# Altium PCB DSP_FPGA.PcbDoc (part 5 of 7) (continued)
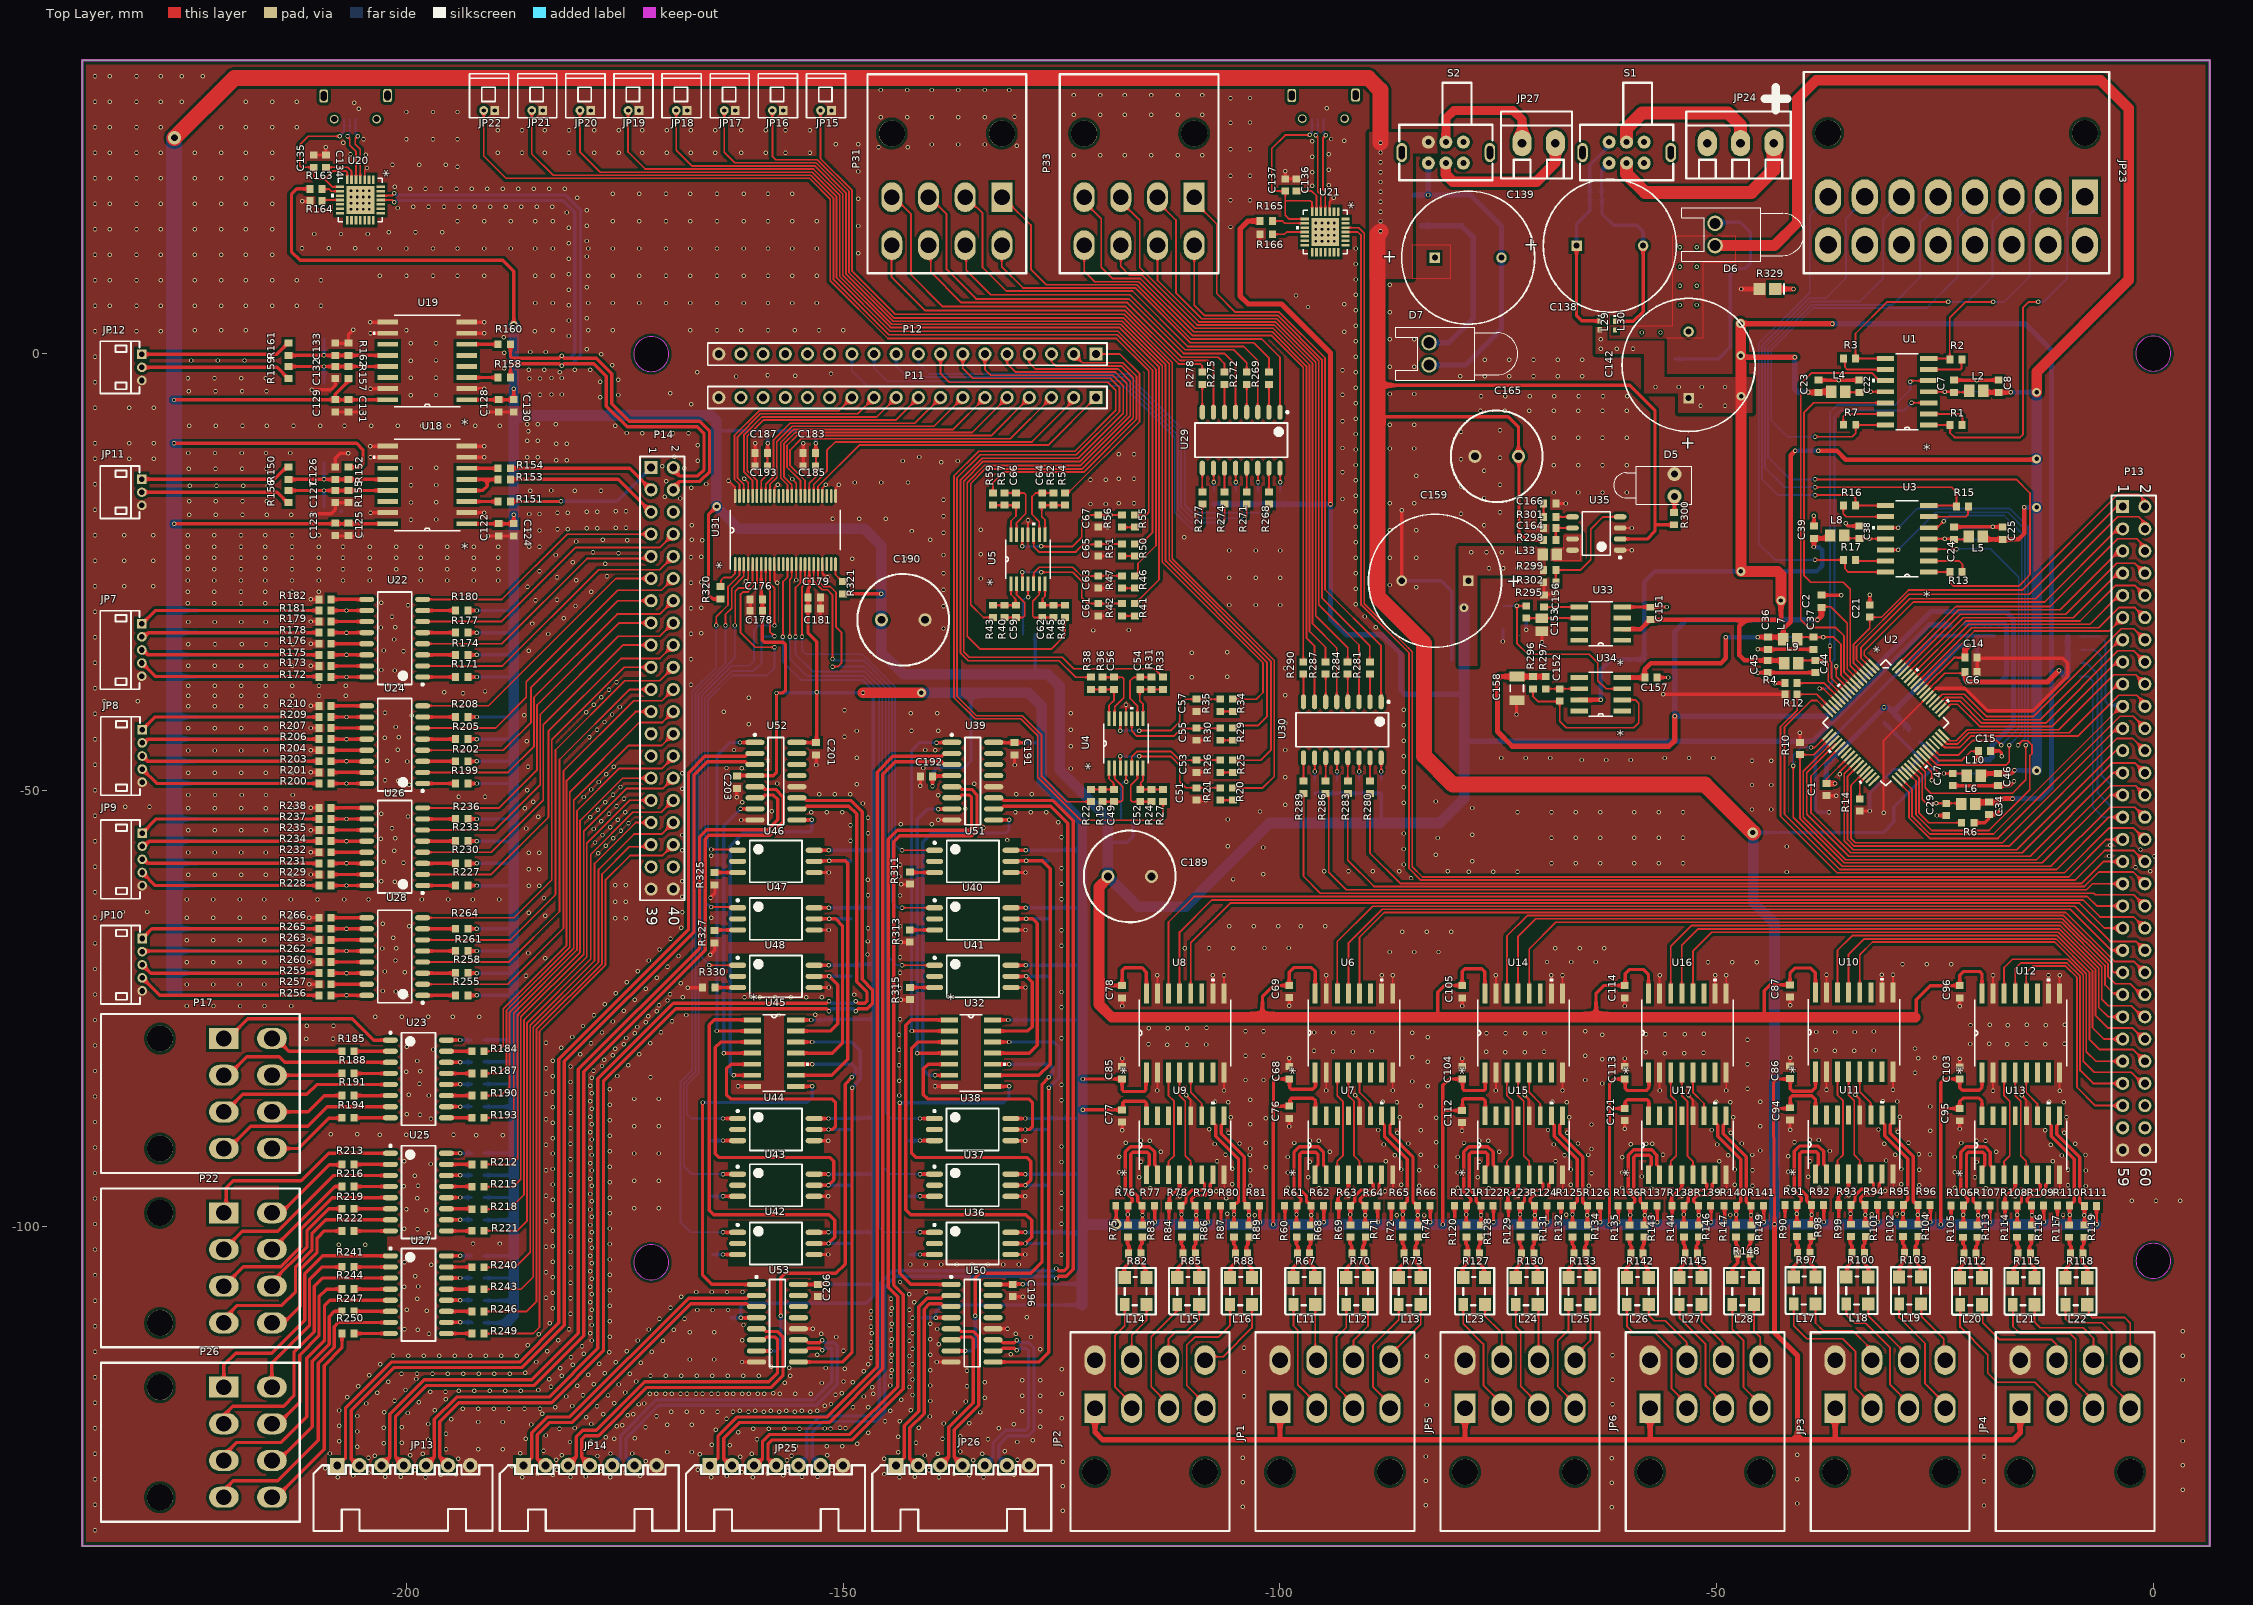
[diagram p0: Top Layer view]
## Nets (pads, with @x,y where several pads share a name; then routed paths per layer and width w, separated by ;. In a path a pad name is that pad's centre, name@x,y a point inside that pad or via, vN(x,y) a via of type N, cw(c..) or ccw(c..) an arc to the next point about the centre after c; other vN are vias at no path point) (continued)
  Bottom Layer w0.381: v1(-64.809,-98.663) C111.2@-64.809,-97.594
En5_Z_P: C110.2 R125.1 R132.2 U15.10 | length 15.1
  Top Layer w0.381: U15.10@-68.923,-87.262 -68.923,-88.062 -68.834,-88.151 -68.829,-88.151 -68.605,-88.374 -68.605,-89.62 -65.98,-92.246 -65.98,-97.066 -66.203,-97.289 -66.292,-97.289 -66.502,-97.499 -66.502,-97.549 -66.502,-99.611 R132.2@-66.661,-99.77
  Bottom Layer w0.381: v1(-66.506,-98.584) v1(-66.506,-98.584) C110.2@-66.504,-97.551
En6_A_N: C116.2 R137.1 R143.2 U17.1 | length 14.2
  Top Layer w0.381: R137.1@-58.251,-97.574 -58.251,-97.524 R137.1@-58.461,-97.315 ; R143.2@-58.179,-99.77 -58.228,-99.721 -58.228,-97.598 -58.277,-97.549 -58.277,-97.499 R137.1@-58.461,-97.315 ; U17.1@-57.798,-94.018 -57.798,-93.218 -57.709,-93.129 -57.703,-93.129 -57.48,-92.906 -57.48,-92.031 -57.703,-91.808 -59.251,-91.808 -59.474,-92.031 -59.474,-95.796 -58.758,-96.513 -58.758,-97.091 R137.1@-58.56,-97.289 ; R137.1@-58.56,-97.289 -58.486,-97.289 R137.1@-58.461,-97.315 ; R137.1@-58.56,-97.289 -58.535,-97.315 R137.1@-58.461,-97.315
  Bottom Layer w0.381: C116.2@-58.277,-97.549 -58.232,-97.594 v1(-58.232,-98.663)
En6_A_P: C115.2 R135.2 R136.1 U17.2 | length 15.7
  Top Layer w0.381: R135.2@-59.899,-99.697 R136.1@-59.899,-97.574 -59.899,-97.524 -59.69,-97.315 -59.616,-97.315 -59.393,-97.091 -59.393,-96.776 -60.109,-96.059 -60.109,-91.768 -59.514,-91.173 -57.44,-91.173 -56.845,-91.768 -56.845,-92.906 -56.622,-93.129 -56.617,-93.129 -56.528,-93.218 U17.2@-56.528,-94.018
  Bottom Layer w0.381: v1(-59.903,-98.64) C115.2@-59.903,-97.57
En6_B_N: C118.2 R139.1 R146.2 U17.7 | length 8.8
  Top Layer w0.381: R139.1@-52.122,-97.549 -52.122,-97.499 -52.332,-97.289 -52.402,-97.289 -52.625,-97.066 -52.625,-96.75 -52.277,-96.403 -51.09,-96.403 -50.495,-95.807 -50.495,-95.13 -50.272,-94.907 -50.267,-94.907 -50.178,-94.818 U17.7@-50.178,-94.018 ; R139.1@-52.066,-97.598 -52.066,-99.721 R146.2@-52.017,-99.77
  Bottom Layer w0.381: v1(-52.07,-98.663) C118.2@-52.07,-97.594
En6_B_P: C117.2 R138.1 R144.2 U17.6 | length 8.8
  Top Layer w0.381: R144.2@-53.922,-99.77 -53.763,-99.611 -53.763,-97.549 -53.763,-97.499 -53.553,-97.289 -53.483,-97.289 -53.26,-97.066 -53.26,-96.487 -52.54,-95.768 -51.353,-95.768 -51.13,-95.544 -51.13,-95.13 -51.353,-94.907 -51.359,-94.907 -51.448,-94.818 U17.6@-51.448,-94.018
  Bottom Layer w0.381: v1(-53.767,-98.584) -53.765,-98.582 C117.2@-53.765,-97.551
En6_Z_N: C120.2 R141.1 R149.2 U17.9 | length 15.1
  Top Layer w0.381: U17.9@-48.908,-87.262 -48.908,-88.062 -48.997,-88.151 -49.002,-88.151 -49.225,-88.374 -49.225,-89.357 -46.599,-91.983 -46.599,-97.091 -46.376,-97.315 -46.287,-97.315 -46.077,-97.524 R141.1@-46.077,-97.574 ; R141.1@-46.06,-97.598 -46.06,-99.721 R149.2@-46.011,-99.77
  Bottom Layer w0.381: v1(-46.064,-98.663) C120.2@-46.064,-97.594
En6_Z_P: C119.2 R140.1 R147.2 U17.10 | length 15.1
  Top Layer w0.381: U17.10@-50.178,-87.262 -50.178,-88.062 -50.089,-88.151 -50.083,-88.151 -49.86,-88.374 -49.86,-89.62 -47.234,-92.246 -47.234,-97.066 -47.458,-97.289 -47.547,-97.289 -47.757,-97.499 -47.757,-97.549 -47.757,-99.611 R147.2@-47.916,-99.77
  Bottom Layer w0.381: v1(-47.761,-98.584) v1(-47.761,-98.584) C119.2@-47.759,-97.551
Enconder01_A+: JP1.3 L11.1@-98.454,-108.904 | length 13
  Top Layer w0.203: L11.1@-98.454,-108.904 -98.454,-111.324 -97.955,-111.823 -97.955,-118.087 -95.791,-120.252 JP1.3@-95.791,-120.752
Enconder01_A-: JP1.4 L11.2 | length 6.4
  Top Layer w0.203: L11.2@-95.954,-108.904 -95.954,-115.088 JP1.4@-95.791,-115.252
Enconder01_B+: JP1.5 L12.1@-92.424,-108.904 | length 13.1
  Top Layer w0.203: L12.1@-92.424,-108.904 -92.424,-111.512 -93.523,-112.611 -93.523,-118.319 -91.591,-120.252 JP1.5@-91.591,-120.752
Enconder01_B-: JP1.6 L12.2 | length 7
  Top Layer w0.203: JP1.6@-91.591,-115.252 -91.591,-113.016 -89.924,-111.349 L12.2@-89.924,-108.904
Enconder01_Z+: JP1.7 L13.1@-86.388,-108.904 | length 13.9
  Top Layer w0.203: JP1.7@-87.391,-120.752 -87.391,-120.252 -89.357,-118.285 -89.357,-113.576 -86.388,-110.607 L13.1@-86.388,-108.904
Enconder01_Z-: JP1.8 L13.2 | length 7.8
  Top Layer w0.203: JP1.8@-87.391,-115.252 -87.391,-114.632 -83.888,-111.129 L13.2@-83.888,-108.904
Enconder02_A+: JP2.3 L14.1@-117.784,-108.904 | length 13.1
  Top Layer w0.203: L14.1@-117.784,-108.904 -117.784,-111.294 -118.885,-112.395 -118.885,-118.343 -116.976,-120.252 JP2.3@-116.976,-120.752
Enconder02_A-: JP2.4 L14.2 | length 7
  Top Layer w0.203: JP2.4@-116.976,-115.252 -116.976,-112.391 -115.284,-110.699 L14.2@-115.284,-108.904
Enconder02_B+: JP2.5 L15.1@-111.753,-108.904 | length 13.9
  Top Layer w0.203: JP2.5@-112.776,-120.752 -112.776,-120.252 -114.745,-118.283 -114.745,-112.573 -111.753,-109.581 L15.1@-111.753,-108.904
Enconder02_B-: JP2.6 L15.2 | length 8.5
  Top Layer w0.203: JP2.6@-112.776,-115.252 -112.776,-112.84 -111.9,-111.963 -110.668,-111.963 -109.253,-110.549 L15.2@-109.253,-108.904
Enconder02_Z+: JP2.7 L16.1@-105.717,-108.904 | length 16.3
  Top Layer w0.203: JP2.7@-108.576,-120.752 -108.576,-120.252 -110.668,-118.16 -110.668,-113.525 -109.753,-112.611 -107.074,-112.611 -105.717,-111.255 L16.1@-105.717,-108.904
Enconder02_Z-: JP2.8 L16.2 | length 9.5
  Top Layer w0.203: JP2.8@-108.576,-115.252 -108.178,-114.853 -106.509,-114.853 -103.217,-111.561 L16.2@-103.217,-108.904
Enconder03_A+: JP3.3 L17.1@-41.178,-108.827 | length 18
  Top Layer w0.203: L17.1@-41.178,-108.827 -41.178,-111.324 -39.7,-112.801 -35.573,-112.801 -34.087,-114.287 -34.087,-118.466 -32.234,-120.318 JP3.3@-32.234,-120.752
Enconder03_A-: JP3.4 L17.2 | length 11.1
  Top Layer w0.203: L17.2@-38.678,-108.827 -38.678,-111.004 -37.782,-111.9 -34.404,-111.9 -32.499,-113.805 -32.499,-114.487 -32.234,-114.752 JP3.4@-32.234,-115.252
Enconder03_B+: JP3.5 L18.1@-35.147,-108.827 | length 15.6
  Top Layer w0.203: L18.1@-35.147,-108.827 -35.147,-110.052 -34.163,-111.036 -32.944,-111.036 -30.137,-113.843 -30.137,-118.059 -28.034,-120.162 JP3.5@-28.034,-120.752
Enconder03_B-: JP3.6 L18.2 | length 8.3
  Top Layer w0.203: L18.2@-32.647,-108.827 -32.647,-110.177 -28.034,-114.79 JP3.6@-28.034,-115.252
Enconder03_Z+: JP3.7 L19.1@-29.111,-108.827 | length 14.1
  Top Layer w0.203: L19.1@-29.111,-108.827 -29.111,-110.373 -26.137,-113.347 -26.137,-117.949 -23.834,-120.252 JP3.7@-23.834,-120.752
Enconder03_Z-: JP3.8 L19.2 | length 7.6
  Top Layer w0.203: L19.2@-26.611,-108.827 -26.556,-108.883 -26.556,-110.249 -24.002,-112.802 -24.002,-115.084 JP3.8@-23.834,-115.252
Enconder04_A+: JP4.3 L20.1@-22.122,-108.916 | length 18.9
  Top Layer w0.203: L20.1@-22.122,-108.916 -22.122,-111.444 -18.948,-114.617 -18.948,-116.726 -17.894,-117.78 -13.589,-117.78 -11.049,-120.32 JP4.3@-11.049,-120.752
Enconder04_A-: JP4.4 L20.2 | length 13.4
  Top Layer w0.203: L20.2@-19.621,-108.916 -19.52,-109.018 -19.52,-110.985 -17.602,-112.903 -11.633,-112.903 -11.049,-113.487 JP4.4@-11.049,-115.252
Enconder04_B+: JP4.5 L21.1@-16.091,-108.916 | length 19
  Top Layer w0.203: L21.1@-16.091,-108.916 -16.066,-108.942 -16.066,-111.404 -15.227,-112.243 -9.512,-112.243 -8.89,-112.865 -8.89,-117.831 -6.849,-119.872 JP4.5@-6.849,-120.752
Enconder04_B-: JP4.6 L21.2 | length 12
  Top Layer w0.203: L21.2@-13.591,-108.916 -13.591,-110.895 -12.929,-111.557 -8.026,-111.557 -6.849,-112.734 JP4.6@-6.849,-115.252
Enconder04_Z+: JP4.7 L22.1@-10.055,-108.916 | length 17.1
  Top Layer w0.203: L22.1@-10.055,-108.916 -10.055,-110.544 -9.627,-110.973 -5.88,-110.973 -4.788,-112.065 -4.788,-118.113 -2.649,-120.252 JP4.7@-2.649,-120.752
Enconder04_Z-: JP4.8 L22.2 | length 10.5
  Top Layer w0.203: L22.2@-7.555,-108.916 -7.391,-109.08 -7.391,-109.995 -7.023,-110.363 -3.302,-110.363 -2.649,-111.016 JP4.8@-2.649,-115.252
Enconder05_A+: JP5.3 L23.1@-79.023,-108.904 | length 13.7
  Top Layer w0.203: L23.1@-79.023,-108.904 -79.023,-111.096 -76.708,-113.411 -76.708,-118.123 -74.605,-120.226 JP5.3@-74.605,-120.752
Enconder05_A-: JP5.4 L23.2 | length 7.1
  Top Layer w0.203: L23.2@-76.523,-108.904 -76.523,-110.205 -74.605,-112.123 JP5.4@-74.605,-115.252
Enconder05_B+: JP5.5 L24.1@-72.993,-108.904 | length 12.9
  Top Layer w0.203: L24.1@-72.993,-108.904 -72.993,-111.373 -72.428,-111.938 -72.428,-118.229 -70.405,-120.252 JP5.5@-70.405,-120.752
Enconder05_B-: JP5.6 L24.2 | length 6.4
  Top Layer w0.203: L24.2@-70.493,-108.904 -70.405,-108.991 JP5.6@-70.405,-115.252
Enconder05_Z+: JP5.7 L25.1@-66.957,-108.904 | length 13.2
  Top Layer w0.203: L25.1@-66.957,-108.904 -66.957,-111.788 -68.186,-113.017 -68.186,-118.271 -66.205,-120.252 JP5.7@-66.205,-120.752
Enconder05_Z-: JP5.8 L25.2 | length 7.1
  Top Layer w0.203: JP5.8@-66.205,-115.252 -66.205,-114.752 -64.457,-113.003 L25.2@-64.457,-108.904
Enconder06_A+: JP6.3 L26.1@-60.278,-108.904 | length 16
  Top Layer w0.203: L26.1@-60.278,-108.904 -60.278,-111.388 -59.614,-112.052 -57.117,-112.052 -55.18,-113.989 -55.18,-118.491 -53.734,-119.938 JP6.3@-53.734,-120.777
Enconder06_A-: JP6.4 L26.2 | length 8.9
  Top Layer w0.203: L26.2@-57.778,-108.904 -57.778,-110.116 -57.15,-110.744 -55.893,-110.744 -53.42,-113.217 JP6.4@-53.42,-115.252
Enconder06_B+: JP6.5 L27.1@-54.248,-108.904 | length 13.9
  Top Layer w0.203: L27.1@-54.248,-108.904 -54.248,-110.471 -51.27,-113.449 -51.27,-118.202 -49.22,-120.252 JP6.5@-49.22,-120.752
Enconder06_B-: JP6.6 L27.2 | length 7.4
  Top Layer w0.203: L27.2@-51.748,-108.904 -51.748,-110.812 -49.313,-113.247 -49.313,-115.158 JP6.6@-49.22,-115.252
Enconder06_Z+: JP6.7 L28.1@-48.212,-108.904 | length 13.2
  Top Layer w0.203: L28.1@-48.212,-108.904 -48.212,-111.719 -46.939,-112.992 -46.939,-118.332 -45.02,-120.252 JP6.7@-45.02,-120.752
Enconder06_Z-: JP6.8 L28.2 | length 6.7
  Top Layer w0.203: L28.2@-45.712,-108.904 -45.733,-108.925 -45.733,-111.912 -45.02,-112.625 JP6.8@-45.02,-115.252
F_Enconder01_A: P13.42 U6.14 | length 102.2
  Top Layer w0.203: U6.14@-93.434,-73.254 -93.434,-67.323 -89.391,-63.279 -8.984,-63.279 -4.953,-67.31 -1.981,-67.31 P13.42@-0.965,-68.326
F_Enconder01_B: P13.41 U6.13 | length 97.9
  Top Layer w0.203: U6.13@-92.164,-73.254 -92.164,-67.513 -88.286,-63.635 -9.517,-63.635 -4.826,-68.326 P13.41@-3.505,-68.326
F_Enconder01_Z: P13.44 U6.12 | length 100.4
  Top Layer w0.203: U6.12@-90.894,-73.254 -90.894,-66.853 -88.032,-63.991 -10.05,-63.991 -4.445,-69.596 -2.235,-69.596 P13.44@-0.965,-70.866
F_Enconder02_A: P13.37 U8.14 | length 119.1
  Top Layer w0.203: U8.14@-112.763,-73.254 -112.763,-65.087 -109.838,-62.162 -7.561,-62.162 -6.477,-63.246 P13.37@-3.505,-63.246
F_Enconder02_B: P13.40 U8.13 | length 120.4
  Top Layer w0.203: U8.13@-111.493,-73.254 -111.493,-66.243 -107.818,-62.568 -8.044,-62.568 -6.096,-64.516 -2.235,-64.516 P13.40@-0.965,-65.786
F_Enconder02_Z: P13.39 U8.12 | length 115.6
  Top Layer w0.203: U8.12@-110.223,-73.254 -110.223,-67.475 -105.672,-62.924 -8.45,-62.924 -5.588,-65.786 P13.39@-3.505,-65.786
F_Enconder03_A: P13.49 U10.14 | length 46.9
  Top Layer w0.203: U10.14@-36.157,-73.177 -36.157,-68.339 -34.455,-66.637 -11.011,-66.637 -6.96,-70.688 -6.96,-77.203 -5.677,-78.486 P13.49@-3.505,-78.486
F_Enconder03_B: P13.52 U10.13 | length 49.3
  Top Layer w0.203: U10.13@-34.887,-73.177 -34.887,-68.784 -33.122,-67.018 -11.138,-67.018 -7.315,-70.841 -7.315,-78.499 -6.118,-79.695 -2.296,-79.695 P13.52@-0.965,-81.026
F_Enconder03_Z: P13.51 U10.12 | length 45.9
  Top Layer w0.203: U10.12@-33.617,-73.177 -33.617,-68.834 -32.156,-67.373 -11.285,-67.373 -7.671,-70.988 -7.671,-79.921 -6.566,-81.026 P13.51@-3.505,-81.026
F_Enconder04_A: P13.54 U12.14 | length 31.2
  Top Layer w0.203: U12.14@-17.081,-73.266 -17.081,-70.294 -16.129,-69.342 -9.82,-69.342 -8.026,-71.135 -8.026,-81.039 -6.769,-82.296 -2.54,-82.296 -1.27,-83.566 P13.54@-0.965,-83.566
F_Enconder04_B: P13.53 U12.13 | length 27.5
  Top Layer w0.203: U12.13@-15.811,-73.266 -15.811,-70.409 -15.176,-69.774 -9.891,-69.774 -8.382,-71.282 -8.382,-82.08 -6.896,-83.566 P13.53@-3.505,-83.566
F_Enconder04_Z: P13.55 U12.12 | length 27.7
  Top Layer w0.203: U12.12@-14.541,-73.266 -14.541,-70.866 -13.805,-70.129 -10.038,-70.129 -8.738,-71.43 -8.738,-84.01 -6.642,-86.106 P13.55@-3.505,-86.106
F_Enconder05_A: P13.43 U14.14 | length 81.2
  Top Layer w0.203: U14.14@-74.003,-73.254 -74.003,-66.675 -71.674,-64.346 -10.259,-64.346 -4.719,-69.886 -4.719,-70.655 -4.508,-70.866 P13.43@-3.505,-70.866
F_Enconder05_B: P13.46 U14.13 | length 83.6
  Top Layer w0.203: U14.13@-72.733,-73.254 -72.733,-66.739 -70.696,-64.702 -10.406,-64.702 -5.182,-69.926 -5.182,-71.349 -4.369,-72.161 -2.642,-72.161 -1.397,-73.406 P13.46@-0.965,-73.406
F_Enconder05_Z: P13.45 U14.12 | length 79
  Top Layer w0.203: U14.12@-71.463,-73.254 -71.463,-68.174 -68.402,-65.113 -10.503,-65.113 -5.537,-70.079 -5.537,-72.291 -4.56,-73.268 -3.643,-73.268 P13.45@-3.505,-73.406
F_Enconder06_A: P13.48 U16.14 | length 67.2
  Top Layer w0.203: U16.14@-55.258,-73.254 -55.258,-67.843 -52.908,-65.494 -10.63,-65.494 -5.893,-70.231 -5.893,-73.927 -5.143,-74.676 -2.54,-74.676 -1.27,-75.946 P13.48@-0.965,-75.946
F_Enconder06_B: P13.47 U16.13 | length 63.6
  Top Layer w0.203: U16.13@-53.988,-73.254 -53.988,-67.742 -52.146,-65.9 -10.731,-65.9 -6.248,-70.383 -6.248,-74.879 -5.182,-75.946 P13.47@-3.505,-75.946
F_Enconder06_Z: P13.50 U16.12 | length 65.7
  Top Layer w0.203: U16.12@-52.718,-73.254 -52.718,-68.415 -50.559,-66.256 -10.879,-66.256 -6.604,-70.531 -6.604,-75.832 -5.22,-77.216 -2.413,-77.216 -1.143,-78.486 P13.50@-0.965,-78.486
FPGA_GPIO_5V_IN1_1_G1: P33.1 U30.1 | length 69.6
  Top Layer w0.203: P33.1@-109.824,17.907 -109.824,17.407 -107.252,14.834 -107.252,6.883 -105.118,4.75 -100.076,4.75 -94.844,-0.483 -94.844,-27.013 -88.417,-33.439 U30.1@-88.417,-39.878
FPGA_GPIO_5V_IN1_2_G1: P33.2 R281.2 | length 61
  Top Layer w0.203: P33.2@-109.824,12.407 -109.824,5.519 -108.674,4.369 -100.259,4.369 -95.199,-0.691 -95.199,-27.953 -89.713,-33.439 R281.2@-89.713,-35.292
FPGA_GPIO_5V_IN2_1_G1: P33.3 U30.3 | length 72.4
  Top Layer w0.203: P33.3@-114.024,17.907 -114.024,17.407 -111.912,15.295 -111.912,6.947 -108.953,3.988 -100.381,3.988 -95.555,-0.838 -95.555,-28.765 -90.957,-33.363 U30.3@-90.957,-39.878
FPGA_GPIO_5V_IN2_2_G1: P33.4 R284.2 | length 61.8
  Top Layer w0.203: P33.4@-114.024,12.407 -114.024,8.386 -109.271,3.632 -100.528,3.632 -95.91,-0.986 -95.91,-30.035 -92.253,-33.693 R284.2@-92.253,-35.292
FPGA_GPIO_5V_IN3_1_G1: P33.5 U30.5 | length 73.2
  Top Layer w0.203: P33.5@-118.224,17.907 -118.224,17.407 -116.065,15.248 -116.065,9.855 -109.487,3.277 -100.676,3.277 -96.266,-1.133 -96.266,-30.937 -93.497,-33.706 U30.5@-93.497,-39.878
FPGA_GPIO_5V_IN3_2_G1: P33.6 R287.2 | length 63.5
  Top Layer w0.203: P33.6@-118.224,12.407 -118.224,9.982 -117.234,8.992 -115.786,8.992 -109.69,2.896 -100.797,2.896 -96.622,-1.28 -96.622,-31.813 -94.793,-33.642 R287.2@-94.793,-35.292
FPGA_GPIO_5V_IN4_1_G1: P33.7 U30.7 | length 75.8
  Top Layer w0.203: P33.7@-122.424,17.907 -122.424,17.407 -120.459,15.442 -120.459,9.881 -119.164,8.585 -115.976,8.585 -109.88,2.489 -100.894,2.489 -96.977,-1.428 -96.977,-32.55 -96.037,-33.49 U30.7@-96.037,-39.878
FPGA_GPIO_5V_IN4_2_G1: P33.8 R290.2 | length 66.3
  Top Layer w0.203: P33.8@-122.424,12.407 -122.424,9.445 -121.209,8.23 -116.18,8.23 -110.033,2.083 -100.99,2.083 -97.333,-1.575 R290.2@-97.333,-35.292
FPGA_GPIO_IN1: P13.33 R280.1 | length 95.5
  Top Layer w0.203: R280.1@-89.687,-50.343 -89.687,-57.201 -86.225,-60.663 -8.212,-60.663 -5.715,-58.166 P13.33@-3.505,-58.166
FPGA_GPIO_IN2: P13.36 R283.1 | length 101.4
  Top Layer w0.203: R283.1@-92.227,-50.343 -92.227,-58.014 -89.222,-61.019 -7.895,-61.019 -6.236,-59.36 -2.311,-59.36 P13.36@-0.965,-60.706
FPGA_GPIO_IN3: P13.35 R286.1 | length 101.2
  Top Layer w0.203: R286.1@-94.767,-50.343 -94.717,-50.343 -94.419,-50.641 -94.419,-59.378 -92.397,-61.4 -7.653,-61.4 -6.96,-60.706 P13.35@-3.505,-60.706
FPGA_GPIO_IN4: P13.38 R289.1 | length 107.3
  Top Layer w0.203: R289.1@-97.307,-50.343 -97.307,-59.855 -95.382,-61.781 -6.823,-61.781 -6.628,-61.976 -2.235,-61.976 P13.38@-0.965,-63.246
FPGA_Uart_N: J2.3 U21.4 | length 11
  Top Layer w0.203: U21.4@-94.823,16.243 -94.823,18.547 -95.059,18.783 -95.059,24.708 v1@-94.767,25
  Top Layer w0.381: v1@-94.767,25 v1(-94.767,25.021)
  Bottom Layer w0.203: J2.3@-95.021,26.899 -95.021,25.308 -94.767,25.054 v1(-94.767,25.021)
FPGA_Uart_P: J2.2 U21.5 | length 11
  Top Layer w0.203: v1@-95.925,25 -95.664,24.739 -95.664,18.543 -95.323,18.202 U21.5@-95.323,16.243
  Top Layer w0.381: v1@-95.925,25 v1(-95.925,25.021)
  Bottom Layer w0.203: v1(-95.925,25.021) -95.925,25.054 -95.671,25.308 J2.2@-95.671,26.899
FPGA_Uart_RXD: P13.34 U21.25 | length 163.4
  Top Layer w0.203: U21.25@-92.494,13.919 -91.097,13.919 -90.716,13.538 -90.716,-28.779 -85.217,-34.279 -85.217,-58.953 -83.883,-60.287 -8.966,-60.287 -5.588,-56.909 -2.222,-56.909 P13.34@-0.965,-58.166
FPGA_Uart_TXD: P13.31 U21.26 | length 161.3
  Top Layer w0.203: U21.26@-92.494,14.419 -91,14.419 -90.361,13.779 -90.361,-28.632 -85.001,-33.992 ; -85.303,-33.69 -85.001,-33.992 ; P13.31@-3.505,-55.626 -5.385,-55.626 -9.69,-59.931 -83.68,-59.931 -84.861,-58.75 -84.861,-34.131 -85.001,-33.992
IOVDD: C4.2 C5.2 C6.2 C10.1 L1.2 R5.1 R8.1 R9.2 R11.2 U2.55 | length 40.7
  Top Layer w0.203: U2.55@-26.142,-38.848 -23.883,-36.589 -21.701,-36.589 C6.2@-21.574,-36.462
  Top Layer w0.381: C6.2@-21.574,-36.462 -21.574,-37.319 v1(-21.288,-37.605)
  Top Layer w0.61: v1(-21.288,-37.605) -12.116,-37.605 v1(-10.795,-36.284)
  Bottom Layer w0.203: L1.2@-21.704,-31.115 L1.2@-21.45,-30.861
  Bottom Layer w0.61: C10.1@-21.574,-36.462 -21.574,-37.319 v1(-21.288,-37.605) -17.513,-37.605 -16.815,-36.907 -16.815,-31.217 -17.17,-30.861 L1.2@-21.45,-30.861 ; v1(-10.795,-36.284) -9.997,-37.082 R9.2@-9.841,-36.925 ; R9.2@-9.796,-37.02 R9.2@-9.796,-36.97 R9.2@-9.841,-36.925 ; R11.2@-9.796,-32.398 R8.1@-9.796,-33.922 R5.1@-9.796,-35.446 -9.796,-36.925 R9.2@-9.841,-36.925
NetC7_1: C7.1 C11.1 C12.1 C13.1 L2.2 U1.4 | length 9.2
  Top Layer w0.203: U1.4@-25.73,-4.369 v1(-23.876,-4.369) -22.883,-4.369 C7.1@-22.818,-4.434 -21.265,-4.434 L2.2@-21.073,-4.242
  Bottom Layer w0.203: v1(-23.876,-4.369) -19.6,-4.369 C12.1@-19.473,-4.496
NetC20_1: C20.1 C22.1 L4.1 U1.11 | length 6
  Top Layer w0.203: L4.1@-35.268,-4.369 -35.203,-4.434 C22.1@-33.655,-4.434 -33.59,-4.369 v1(-32.385,-4.369) U1.11@-30.658,-4.369
  Bottom Layer w0.203: C20.1@-33.655,-4.434 -33.59,-4.369 v1(-32.385,-4.369)
NetC24_1: C24.1 C26.1 C27.1 C28.1 L5.2 U3.4 | length 9.2
  Top Layer w0.203: U3.4@-25.73,-21.209 v1(-23.876,-21.209) -22.887,-21.209 C24.1@-22.822,-21.274 -21.439,-21.274 L5.2@-21.12,-20.955
  Bottom Layer w0.203: v1(-23.876,-21.209) -22.887,-21.209 C26.1@-22.822,-21.274 C27.1@-21.298,-21.274 C28.1@-19.52,-21.274
NetC29_1: C29.1 C33.1 L6.1 U2.38 | length 10.2
  Top Layer w0.203: U2.38@-27.556,-47.149 -26.467,-48.238 -26.467,-51.029 -25.998,-51.497 C29.1@-23.711,-51.497 -22.074,-51.497 L6.1@-22.009,-51.562
  Bottom Layer w0.203: v1(-24.855,-51.497) C33.1@-23.711,-51.497
NetC30_1: C30.1 C31.1 C32.1 C37.1 L7.2 U2.8 | length 15.5
  Top Layer w0.203: L7.2@-40.765,-32.717 -40.511,-32.463 C37.1@-38.898,-32.463 v1(-37.812,-32.463) -36.59,-32.463 -35.766,-33.287 -35.766,-36.817 U2.8@-34.443,-38.14
  Bottom Layer w0.203: C30.1@-42.454,-32.46 C31.1@-40.676,-32.46 -40.673,-32.463 C32.1@-38.898,-32.463 v1(-37.812,-32.463)
NetC35_1: C35.1 C38.1 L8.1 U3.11 | length 6.1
  Top Layer w0.203: L8.1@-35.395,-20.828 -35.076,-21.147 C38.1@-33.655,-21.147 -33.593,-21.209 v1(-32.512,-21.209) U3.11@-30.658,-21.209
  Bottom Layer w0.203: C35.1@-33.655,-21.147 -33.593,-21.209 v1(-32.512,-21.209)
NetC40_1: C40.1 C44.1 L9.1 U2.11 | length 9.2
  Top Layer w0.203: L9.1@-40.681,-35.446 -40.362,-35.127 C44.1@-38.687,-35.127 v1(-37.601,-35.127) -37.211,-35.517 -37.211,-37.493 U2.11@-35.503,-39.201
  Bottom Layer w0.203: C40.1@-38.687,-35.127 v1(-37.601,-35.127)
NetC41_1: C41.1 C42.1 C43.1 C47.1 L10.2 U2.41 | length 10.5
  Top Layer w0.203: U2.41@-26.495,-46.088 -24.502,-48.081 C47.1@-22.972,-48.081 -21.604,-48.081 L10.2@-21.349,-48.336
  Bottom Layer w0.203: v1(-23.978,-48.082) -19.544,-48.082 C42.1@-19.543,-48.081
NetC48_1: C48.1 C50.1 R18.1 U4.4 | length 6
  Top Layer w0.203: v1@-117.627,-48.779 U4.4@-117.627,-47.459
  Bottom Layer w0.203: R18.1@-118.2,-53.25 C50.1@-118.2,-51.751 C48.1@-118.2,-50.227 -118.2,-49.352 -117.913,-49.065 -117.659,-49.065 v1(-117.602,-49.008)
NetC49_1: C49.1 R19.2 U4.2 | length 6.4
  Top Layer w0.203: R19.2@-120.32,-51.308 C49.1@-118.999,-51.308 -118.226,-51.308 -118.008,-51.091 -118.008,-49.618 -118.927,-48.699 U4.2@-118.927,-47.459
NetC49_2: C49.2 R19.1 R22.1 U4.1 | length 5.3
  Top Layer w0.203: R22.1@-121.641,-49.908 R19.1@-120.32,-49.908 C49.2@-119.049,-49.908 ; U4.1@-119.577,-47.459 -119.577,-48.683 -119.049,-49.211 C49.2@-119.049,-49.908 ; C49.2@-118.999,-49.908 C49.2@-119.049,-49.908
NetC51_2: C51.2 R21.1 R23.1 U4.3 | length 16.7
  Top Layer w0.203: U4.3@-118.277,-47.459 v1(-118.277,-46.123) ; v1(-116.103,-46.123) -112.522,-46.123 -111.481,-47.164 -111.481,-49.044 -110.806,-49.718 -109.576,-49.718 v1(-108.21,-49.718) R21.1@-106.845,-49.718
  Bottom Layer w0.203: v1(-118.277,-46.123) v1(-116.103,-46.123) ; v1(-108.21,-49.718) R23.1@-106.845,-49.718
NetC52_1: C52.1 R24.2 U4.6 | length 6.5
  Top Layer w0.203: U4.6@-116.327,-47.459 -116.327,-48.673 -117.094,-49.44 -117.094,-51.142 -116.927,-51.308 C52.1@-116.002,-51.308 R24.2@-114.694,-51.308
NetC52_2: C52.2 R24.1 R27.1 U4.7 | length 5.2
  Top Layer w0.203: U4.7@-115.677,-47.459 -115.677,-48.861 -115.951,-49.135 -115.951,-49.857 C52.2@-116.002,-49.908 R24.1@-114.694,-49.908 R27.1@-113.386,-49.908
NetC53_2: C53.2 R26.1 R28.1 U4.5 | length 13.5
  Top Layer w0.203: U4.5@-116.977,-47.459 -116.977,-46.174 -116.357,-45.554 -112.497,-45.554 -111.495,-46.555 C53.2@-109.576,-46.555 ; C53.2@-109.576,-46.543 v1(-108.21,-46.543) R26.1@-106.845,-46.543
  Bottom Layer w0.203: v1(-108.21,-46.543) R28.1@-106.845,-46.543
NetC54_1: C54.1 R31.2 U4.9 | length 7.3
  Top Layer w0.203: U4.9@-116.327,-41.82 -116.327,-40.326 -117.17,-39.483 -117.17,-37.469 -116.757,-37.056 C54.1@-116.002,-37.056 R31.2@-114.694,-37.056
NetC54_2: C54.2 R31.1 R33.1 U4.8 | length 6.2
  Top Layer w0.203: U4.8@-115.677,-41.82 -115.677,-40.138 -116.053,-39.762 -116.053,-38.507 C54.2@-116.002,-38.456 R31.1@-114.694,-38.456 R33.1@-113.386,-38.456
NetC55_2: C55.2 R30.1 R32.1 U4.10 | length 13.5
  Top Layer w0.203: U4.10@-116.977,-41.82 -116.977,-43.206 -116.383,-43.801 -112.141,-43.801 -111.277,-42.937 -109.641,-42.937 C55.2@-109.576,-42.872 ; C55.2@-109.608,-42.893 v1(-108.243,-42.893) R30.1@-106.878,-42.893
  Bottom Layer w0.203: v1(-108.243,-42.893) R32.1@-106.878,-42.893
NetC56_1: C56.1 R36.2 U4.13 | length 7.5
  Top Layer w0.203: R36.2@-120.32,-37.056 C56.1@-118.999,-37.056 -118.073,-37.056 -117.881,-37.248 -117.881,-39.407 -118.927,-40.453 U4.13@-118.927,-41.82
NetC56_2: C56.2 R36.1 R38.1 U4.14 | length 6.2
  Top Layer w0.203: R38.1@-121.641,-38.456 R36.1@-120.32,-38.456 C56.2@-118.999,-38.456 -118.999,-39.686 -119.577,-40.265 U4.14@-119.577,-41.82
NetC57_2: C57.2 R35.1 R37.1 U4.12 | length 16.7
  Top Layer w0.203: v1(-118.288,-43.166) -118.288,-41.83 U4.12@-118.277,-41.82 ; v1(-116.103,-43.166) -112.522,-43.166 -111.481,-42.125 -111.481,-40.245 -110.806,-39.57 C57.2@-109.576,-39.57 v1(-108.21,-39.57) R35.1@-106.845,-39.57
  Bottom Layer w0.203: v1(-118.288,-43.166) v1(-116.103,-43.166) ; v1(-108.21,-39.57) R37.1@-106.845,-39.57
NetC58_1: C58.1 C60.1 R39.1 U5.4 | length 6
  Top Layer w0.203: v1@-128.854,-27.686 U5.4@-128.854,-26.365
  Bottom Layer w0.203: R39.1@-129.427,-32.182 C58.1@-129.427,-30.658 C60.1@-129.427,-29.134 -129.427,-28.259 -129.14,-27.971 -128.886,-27.971 v1(-128.829,-27.915)
NetC59_1: C59.1 R40.2 U5.2 | length 6.4
  Top Layer w0.203: R40.2@-131.547,-30.215 C59.1@-130.226,-30.215 -129.453,-30.215 -129.235,-29.997 -129.235,-28.524 -130.154,-27.605 U5.2@-130.154,-26.365
NetC59_2: C59.2 R40.1 R43.1 U5.1 | length 5.3
  Top Layer w0.203: R43.1@-132.867,-28.815 R40.1@-131.547,-28.815 C59.2@-130.276,-28.815 ; U5.1@-130.804,-26.365 -130.804,-27.589 -130.276,-28.118 C59.2@-130.276,-28.815 ; C59.2@-130.226,-28.815 C59.2@-130.276,-28.815
NetC61_2: C61.2 R42.1 R44.1 U5.3 | length 16.7
  Top Layer w0.203: U5.3@-129.504,-26.365 v1(-129.504,-25.029) ; v1(-127.33,-25.029) -123.749,-25.029 -122.707,-26.071 -122.707,-27.95 -122.033,-28.625 -120.802,-28.625 v1(-119.437,-28.625) R42.1@-118.072,-28.625
  Bottom Layer w0.203: v1(-129.504,-25.029) v1(-127.33,-25.029) ; v1(-119.437,-28.625) R44.1@-118.072,-28.625
NetC62_1: C62.1 R45.2 U5.6 | length 6.5
  Top Layer w0.203: U5.6@-127.554,-26.365 -127.554,-27.58 -128.321,-28.346 -128.321,-30.048 -128.154,-30.215 C62.1@-127.229,-30.215 R45.2@-125.92,-30.215
NetC62_2: C62.2 R45.1 R48.1 U5.7 | length 5.2
  Top Layer w0.203: U5.7@-126.904,-26.365 -126.904,-27.768 -127.178,-28.042 -127.178,-28.764 C62.2@-127.229,-28.815 R45.1@-125.92,-28.815 R48.1@-124.612,-28.815
NetC63_2: C63.2 R47.1 R49.1 U5.5 | length 13.5
  Top Layer w0.203: U5.5@-128.204,-26.365 -128.204,-25.08 -127.584,-24.46 -123.723,-24.46 -122.722,-25.462 C63.2@-120.802,-25.462 ; C63.2@-120.802,-25.45 v1(-119.437,-25.45) R47.1@-118.072,-25.45
  Bottom Layer w0.203: v1(-119.437,-25.45) R49.1@-118.072,-25.45
NetC64_1: C64.1 R52.2 U5.9 | length 7.3
  Top Layer w0.203: U5.9@-127.554,-20.726 -127.554,-19.232 -128.397,-18.39 -128.397,-16.376 -127.983,-15.962 C64.1@-127.229,-15.962 R52.2@-125.998,-15.962
  Top Layer w0.254: R52.2@-125.998,-15.962 R52.2@-125.984,-15.977
NetC64_2: C64.2 R52.1 R54.1 U5.8 | length 6.2
  Top Layer w0.203: U5.8@-126.904,-20.726 -126.904,-19.044 -127.279,-18.669 -127.279,-17.413 C64.2@-127.229,-17.362 R52.1@-125.92,-17.362 R54.1@-124.612,-17.362
NetC65_2: C65.2 R51.1 R53.1 U5.10 | length 13.5
  Top Layer w0.203: U5.10@-128.204,-20.726 -128.204,-22.113 -127.61,-22.708 -123.368,-22.708 -122.504,-21.844 -120.867,-21.844 C65.2@-120.802,-21.779 ; C65.2@-120.835,-21.8 v1(-119.47,-21.8) R51.1@-118.104,-21.8
  Bottom Layer w0.203: v1(-119.47,-21.8) R53.1@-118.104,-21.8
NetC66_1: C66.1 R57.2 U5.13 | length 7.5
  Top Layer w0.203: R57.2@-131.547,-15.962 C66.1@-130.226,-15.962 -129.3,-15.962 -129.108,-16.154 -129.108,-18.313 -130.154,-19.359 U5.13@-130.154,-20.726
NetC66_2: C66.2 R57.1 R59.1 U5.14 | length 6.2
  Top Layer w0.203: R59.1@-132.867,-17.362 R57.1@-131.547,-17.362 C66.2@-130.226,-17.362 -130.226,-18.593 -130.804,-19.171 U5.14@-130.804,-20.726
NetC67_2: C67.2 R56.1 R58.1 U5.12 | length 16.7
  Top Layer w0.203: v1(-129.515,-22.073) -129.515,-20.737 U5.12@-129.504,-20.726 ; v1(-127.33,-22.073) -123.749,-22.073 -122.707,-21.031 -122.707,-19.152 -122.033,-18.477 C67.2@-120.802,-18.477 v1(-119.437,-18.477) R56.1@-118.072,-18.477
  Bottom Layer w0.203: v1(-129.515,-22.073) v1(-127.33,-22.073) ; v1(-119.437,-18.477) R58.1@-118.072,-18.477
NetC126_1: C126.1 D1.2 R150.2 R152.1 U18.12 | length 13.2
  Top Layer w0.381: R150.2@-213.538,-14.402 v1(-209.461,-14.402) C126.1@-208.178,-14.402 R152.1@-206.654,-14.402 U18.12@-202.159,-14.402
  Bottom Layer w0.381: v1(-209.461,-14.402) D1.2@-209.461,-12.535
NetC127_1: C127.1 D2.2 R155.2 R156.2 U18.13 | length 13.4
  Top Layer w0.381: R156.2@-213.538,-15.672 v1(-209.461,-15.672) C127.1@-208.178,-15.672 R155.2@-206.654,-15.672 U18.13@-202.159,-15.672
  Bottom Layer w0.381: D2.2@-209.461,-17.539 v1(-209.461,-15.672) ; D2.2@-207.569,-18.11 D2.2@-207.429,-17.97
NetC132_1: C132.1 D3.2 R157.1 R159.2 U19.13 | length 13
  Top Layer w0.381: R159.2@-213.538,-1.473 v1(-209.461,-1.473) ; -209.207,-1.473 C132.1@-208.178,-1.473 R157.1@-206.654,-1.473 U19.13@-202.159,-1.473
  Bottom Layer w0.381: D3.2@-209.461,-3.34 v1(-209.461,-1.473)
NetC133_1: C133.1 D4.2 R161.2 R162.2 U19.12 | length 13
  Top Layer w0.381: R161.2@-213.538,-0.203 v1(-209.461,-0.203) ; -209.207,-0.203 C133.1@-208.178,-0.203 R162.2@-206.654,-0.203 U19.12@-202.159,-0.203
  Bottom Layer w0.381: v1(-209.461,-0.203) D4.2@-209.461,1.664
NetC134_1: C134.1 U20.6 | length 4.1
  Top Layer w0.203: C134.1@-209.245,21.335 -206.742,21.335 -206.308,20.901 U20.6@-206.308,19.914
NetC135_1: C135.1 J1.1 U20.7 U20.8 | length 19.6
  Top Layer w0.203: -209.321,19.914 -208.497,19.089 U20.8@-207.632,19.089 ; v1(-207.675,24.892) -211.264,24.892 -212.23,23.927 -212.23,21.501 -212.063,21.335 C135.1@-210.642,21.335 -210.642,20.231 -210.377,19.966 -209.373,19.966 -208.422,20.917 -206.946,20.917 -206.808,20.779 U20.7@-206.808,19.914
  Bottom Layer w0.203: v1(-207.675,24.892) -207.167,25.4 J1.1@-207.167,26.851
NetC136_1: C136.1 U21.6 | length 4.3
  Top Layer w0.203: C136.1@-98.12,18.604 -96.353,18.604 -95.818,18.069 U21.6@-95.818,16.243